# Altium PCB roach2.PcbDoc (part 1 of 39) (continued)
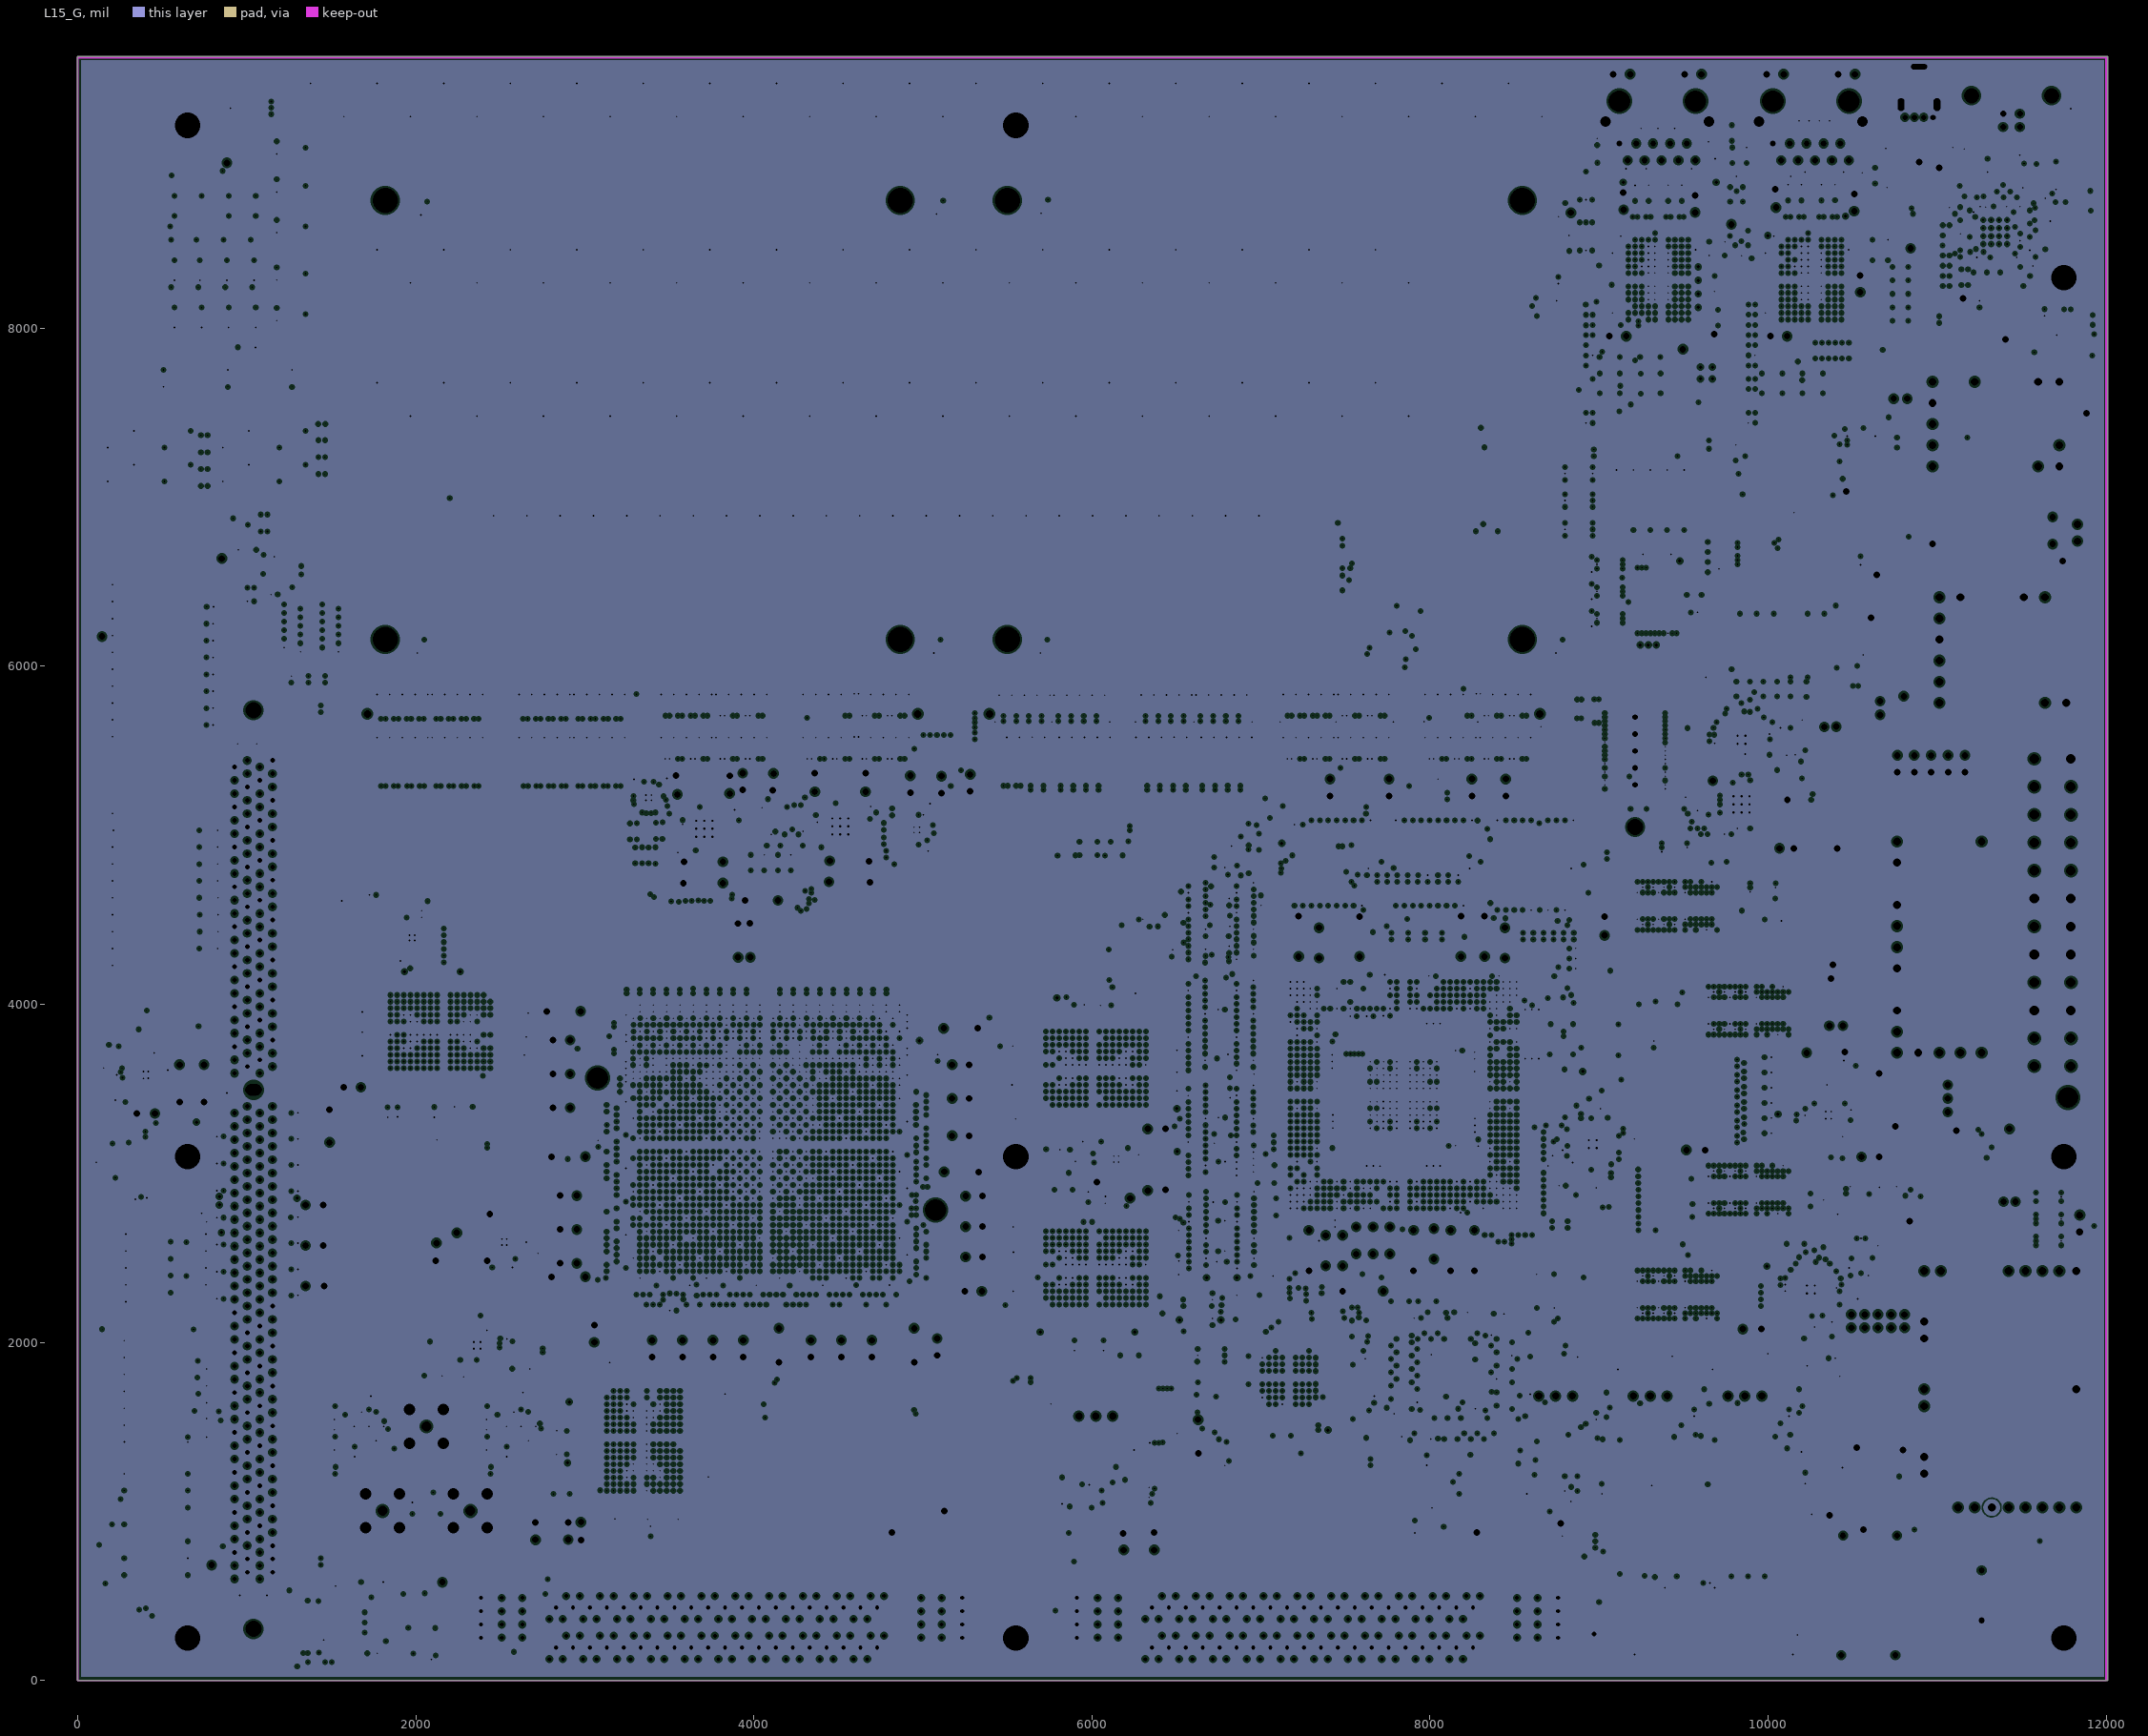
[diagram p15: L15_G, clearances drawn from the general rule]

## Layer stack, top to bottom
L1_TOP: signal copper 0.685
Dielectric: prepreg 3, FR-4, Dk 4.2
L2_G: plane copper 0.6752, net GND
Dielectric: core 5, FR-4, Dk 4.2
L3_S: signal copper 0.6752
Dielectric: prepreg 5, FR-4, Dk 4.8
L4_G: plane copper 0.6752, net GND
Dielectric: core 5, FR-4, Dk 4.2
L5_S: signal copper 0.6752
Dielectric: prepreg 5, FR-4, Dk 4.2
L6_P: plane copper 1.37, net (Multiple Nets)
Dielectric: core 5, FR-4, Dk 4.2
L7_G: plane copper 1.37, net GND
Dielectric: prepreg 4, FR-4, Dk 4.2
L8_R: signal copper 0.6752
Dielectric: core 4, FR-4, Dk 4.2
L9_R: signal copper 0.685
Dielectric: prepreg 4, FR-4, Dk 4.2
L10_P: plane copper 1.37, net (Multiple Nets)
Dielectric: core 5, FR-4, Dk 4.2
L11_P: plane copper 1.37, net (Multiple Nets)
Dielectric: prepreg 5, FR-4, Dk 4.2
L12_S: signal copper 0.685
Dielectric: core 5, FR-4, Dk 4.2
L13_P: plane copper 0.685, net 2V5
Dielectric: prepreg 5, FR-4, Dk 4.2
L14_S: signal copper 0.685
Dielectric: core 5, FR-4, Dk 4.2
L15_G: plane copper 0.685, net GND
Dielectric: prepreg 3, FR-4, Dk 4.2
L16_BOT: signal copper 0.685

## Board outline
0,0 12007.87,0 12007.87,9606.3 0,9606.3

## Design rules (kind name [scope] priority, off if disabled: settings)
AcuteAngle [not isarc] p1: minimum=6.00000000000000E+0001
Clearance Clearance_npth [not PadIsPlated] p1: gap=8
Clearance Clearance_splits [(OnLayer('L6_P')) vs isvia] p2: gap=8
Clearance Clearance_pours [All vs (IsFill or inpolygon)] p3: gap=5
Clearance Clearance_std [(Not isKeepout) vs (Not isKeepout)] p4: gap=4
DiffPairsRouting DiffPairsRouting_mgt [(InNetClass('mgt_pairs'))] p1: maxlimit=8 minlimit=4 mostfreqgap=8 maxuncoupledlength=500
DiffPairsRouting [All] p2: maxlimit=10 minlimit=4 mostfreqgap=4 maxuncoupledlength=157.48
FanoutControl Fanout_Default [All] p5: bgadir=Out bgaviamode=Centered fanoutstyle=BGA fanoutdirection=Alternating viagrid=1 // Fanout_Default (Default Rule)
Height [All] p1: minheight=0 maxheight=1181.1 prefheight=500
HoleSize [All] p1: absolutevalues=TRUE maxlimit=150 minlimit=10 maxpercent=80.000 minpercent=20.000
MatchedLengths MatchedLengths_DP [InNetClass('mgt_pairs')] p1: tolerance=5 checknetsindiffpair=TRUE checkdiffpairvsdiffpair=FALSE checkothers=FALSE
MinimumAnnularRing [All] p1: minimumring=4.05
MinimumSolderMaskSliver [All] p1: minsoldermaskwidth=3.7
PlaneClearance PlaneClearance_routingvia [All] p1: clearance=12.2
PlaneConnect PlaneConnect_via [(not InPadClass('All Pads'))] p1: planeconnectstyle=Direct reliefexpansion=20 reliefentries=4 reliefconductorwidth=10 reliefairgap=10
PlaneConnect PlaneConnect_component [(InPadClass('All Pads'))] p2: planeconnectstyle=Relief reliefexpansion=20 reliefentries=4 reliefconductorwidth=15 reliefairgap=10
PolygonConnect PolygonConnect_rpack [(HasFootprint('RESCAV50P100X200X45-8L'))] p1: connectstyle=Relief reliefconductorwidth=10 reliefentries=4 polygonreliefangle="90 Angle"
PolygonConnect PolygonConnect_components [(InComponentClass('All Components'))] p2: connectstyle=Relief reliefconductorwidth=15 reliefentries=4 polygonreliefangle="90 Angle"
PolygonConnect PolygonConnect_default [All] p3: connectstyle=Direct reliefconductorwidth=20 reliefentries=4 polygonreliefangle="90 Angle"
RoutingLayers [All] p1: top layer_v5=FALSE mid layer 3_v5=TRUE mid layer 4_v5=TRUE mid layer 5_v5=TRUE mid layer 6_v5=TRUE mid layer 7_v5=TRUE mid layer 8_v5=TRUE bottom layer_v5=FALSE
RoutingVias [All] p1: holewidth=10 width=19.4 viastyle="Through Hole" minholewidth=10 minwidth=18.6 maxholewidth=150 maxwidth=150
ShortCircuit [isnet] p1: allowed=FALSE
SilkToSilkClearance [All] p1: silktosilkclearance=0.2
SilkscreenOverComponentPads [All] p1: minsilkscreentomaskgap=3
SolderMaskExpansion SolderMaskExpansion_smt [(InComponentClass('SolderMaskPullback2mil'))] p1: expansion=2
SolderMaskExpansion SolderMaskExpansion_bga [(InComponentClass('BGAs'))] p2: expansion=3
SolderMaskExpansion SolderMaskExpansion_std [All] p3: expansion=0
Width [All] p1: maxlimit=5905.51 minlimit=3.8 preferedwidth=3.8 toplayer_minwidth=5 toplayer_prefwidth=5 bottomlayer_minwidth=5 bottomlayer_prefwidth=5 minimp=50.000000 maximp=50.000000 favimp=50.000000
17 further rules are at their usual default settings.

## Classes and differential pairs
component class SolderMaskPullback2mil: J7 J8 U16 U23 U33 U40 U46 U76 U78 U80 U81
component class BGAs: U1 U2 U42 U43 U44 U45 U50 U57 U58 U60 U61 U64
net class DDR2_D7: DDR2.DM7 DDR2.DQ56 DDR2.DQ57 DDR2.DQ58 DDR2.DQ59 DDR2.DQ60 DDR2.DQ61 DDR2.DQ62 DDR2.DQ63 DDR2.DQS7
net class DDR2_D6: DDR2.DM6 DDR2.DQ48 DDR2.DQ49 DDR2.DQ50 DDR2.DQ51 DDR2.DQ52 DDR2.DQ53 DDR2.DQ54 DDR2.DQ55 DDR2.DQS6
net class DDR2_D5: DDR2.DM5 DDR2.DQ40 DDR2.DQ41 DDR2.DQ42 DDR2.DQ43 DDR2.DQ44 DDR2.DQ45 DDR2.DQ46 DDR2.DQ47 DDR2.DQS5
net class DDR2_D4: DDR2.DM4 DDR2.DQ32 DDR2.DQ33 DDR2.DQ34 DDR2.DQ35 DDR2.DQ36 DDR2.DQ37 DDR2.DQ38 DDR2.DQ39 DDR2.DQS4
net class DDR2_D3: DDR2.DM3 DDR2.DQ24 DDR2.DQ25 DDR2.DQ26 DDR2.DQ27 DDR2.DQ28 DDR2.DQ29 DDR2.DQ30 DDR2.DQ31 DDR2.DQS3
net class DDR2_D2: DDR2.DM2 DDR2.DQ16 DDR2.DQ17 DDR2.DQ18 DDR2.DQ19 DDR2.DQ20 DDR2.DQ21 DDR2.DQ22 DDR2.DQ23 DDR2.DQS2
net class DDR2_D1: DDR2.DM1 DDR2.DQ8 DDR2.DQ9 DDR2.DQ10 DDR2.DQ11 DDR2.DQ12 DDR2.DQ13 DDR2.DQ14 DDR2.DQ15 DDR2.DQS1
net class DDR2_D0: DDR2.DM0 DDR2.DQ0 DDR2.DQ1 DDR2.DQ2 DDR2.DQ3 DDR2.DQ4 DDR2.DQ5 DDR2.DQ6 DDR2.DQ7 DDR2.DQS0
net class ZDOK1: ZDOK1.CLK0_N ZDOK1.CLK0_P ZDOK1.CLK1_N ZDOK1.CLK1_P ZDOK1.DP_N0 ZDOK1.DP_N1 ZDOK1.DP_N2 ZDOK1.DP_N3 ZDOK1.DP_N4 ZDOK1.DP_N5 ZDOK1.DP_N6 ZDOK1.DP_N7 ZDOK1.DP_N8 ZDOK1.DP_N9 ZDOK1.DP_N10 ZDOK1.DP_N11 ZDOK1.DP_N12 ZDOK1.DP_N13 ZDOK1.DP_N14 ZDOK1.DP_N15 ZDOK1.DP_N16 ZDOK1.DP_N17 ZDOK1.DP_N18 ZDOK1.DP_N19 ZDOK1.DP_N20 ZDOK1.DP_N21 ZDOK1.DP_N22 ZDOK1.DP_N23 ZDOK1.DP_N24 ZDOK1.DP_N25 ZDOK1.DP_N26 ZDOK1.DP_N27 ZDOK1.DP_N28 ZDOK1.DP_N29 ZDOK1.DP_N30 ZDOK1.DP_N31 ZDOK1.DP_N32 ZDOK1.DP_N33 ZDOK1.DP_N34 ZDOK1.DP_N35 ZDOK1.DP_N36 ZDOK1.DP_N37 ZDOK1.DP_P0 ZDOK1.DP_P1 ZDOK1.DP_P2 ZDOK1.DP_P3 ZDOK1.DP_P4 ZDOK1.DP_P5 ZDOK1.DP_P6 ZDOK1.DP_P7 ZDOK1.DP_P8 ZDOK1.DP_P9 ZDOK1.DP_P10 ZDOK1.DP_P11 ZDOK1.DP_P12 ZDOK1.DP_P13 ZDOK1.DP_P14 ZDOK1.DP_P15 ZDOK1.DP_P16 ZDOK1.DP_P17 ZDOK1.DP_P18 ZDOK1.DP_P19 ZDOK1.DP_P20 ZDOK1.DP_P21 ZDOK1.DP_P22 ZDOK1.DP_P23 ZDOK1.DP_P24 ZDOK1.DP_P25 ZDOK1.DP_P26 ZDOK1.DP_P27 ZDOK1.DP_P28 ZDOK1.DP_P29 ZDOK1.DP_P30 ZDOK1.DP_P31 ZDOK1.DP_P32 ZDOK1.DP_P33 ZDOK1.DP_P34 ZDOK1.DP_P35 ZDOK1.DP_P36 ZDOK1.DP_P37
net class ZDOK0: ZDOK0.CLK0_N ZDOK0.CLK0_P ZDOK0.CLK1_N ZDOK0.CLK1_P ZDOK0.DP_N0 ZDOK0.DP_N1 ZDOK0.DP_N2 ZDOK0.DP_N3 ZDOK0.DP_N4 ZDOK0.DP_N5 ZDOK0.DP_N6 ZDOK0.DP_N7 ZDOK0.DP_N8 ZDOK0.DP_N9 ZDOK0.DP_N10 ZDOK0.DP_N11 ZDOK0.DP_N12 ZDOK0.DP_N13 ZDOK0.DP_N14 ZDOK0.DP_N15 ZDOK0.DP_N16 ZDOK0.DP_N17 ZDOK0.DP_N18 ZDOK0.DP_N19 ZDOK0.DP_N20 ZDOK0.DP_N21 ZDOK0.DP_N22 ZDOK0.DP_N23 ZDOK0.DP_N24 ZDOK0.DP_N25 ZDOK0.DP_N26 ZDOK0.DP_N27 ZDOK0.DP_N28 ZDOK0.DP_N29 ZDOK0.DP_N30 ZDOK0.DP_N31 ZDOK0.DP_N32 ZDOK0.DP_N33 ZDOK0.DP_N34 ZDOK0.DP_N35 ZDOK0.DP_N36 ZDOK0.DP_N37 ZDOK0.DP_P0 ZDOK0.DP_P1 ZDOK0.DP_P2 ZDOK0.DP_P3 ZDOK0.DP_P4 ZDOK0.DP_P5 ZDOK0.DP_P6 ZDOK0.DP_P7 ZDOK0.DP_P8 ZDOK0.DP_P9 ZDOK0.DP_P10 ZDOK0.DP_P11 ZDOK0.DP_P12 ZDOK0.DP_P13 ZDOK0.DP_P14 ZDOK0.DP_P15 ZDOK0.DP_P16 ZDOK0.DP_P17 ZDOK0.DP_P18 ZDOK0.DP_P19 ZDOK0.DP_P20 ZDOK0.DP_P21 ZDOK0.DP_P22 ZDOK0.DP_P23 ZDOK0.DP_P24 ZDOK0.DP_P25 ZDOK0.DP_P26 ZDOK0.DP_P27 ZDOK0.DP_P28 ZDOK0.DP_P29 ZDOK0.DP_P30 ZDOK0.DP_P31 ZDOK0.DP_P32 ZDOK0.DP_P33 ZDOK0.DP_P34 ZDOK0.DP_P35 ZDOK0.DP_P36 ZDOK0.DP_P37
net class qdr3_q: QDR3.Q0 QDR3.Q1 QDR3.Q2 QDR3.Q3 QDR3.Q4 QDR3.Q5 QDR3.Q6 QDR3.Q7 QDR3.Q8 QDR3.Q9 QDR3.Q10 QDR3.Q11 QDR3.Q12 QDR3.Q13 QDR3.Q14 QDR3.Q15 QDR3.Q16 QDR3.Q17 QDR3.Q18 QDR3.Q19 QDR3.Q20 QDR3.Q21 QDR3.Q22 QDR3.Q23 QDR3.Q24 QDR3.Q25 QDR3.Q26 QDR3.Q27 QDR3.Q28 QDR3.Q29 QDR3.Q30 QDR3.Q31 QDR3.Q32 QDR3.Q33 QDR3.Q34 QDR3.Q35
net class QDR0: QDR0.A0 QDR0.A1 QDR0.A2 QDR0.A3 QDR0.A4 QDR0.A5 QDR0.A6 QDR0.A7 QDR0.A8 QDR0.A9 QDR0.A10 QDR0.A11 QDR0.A12 QDR0.A13 QDR0.A14 QDR0.A15 QDR0.A16 QDR0.A17 QDR0.A18 QDR0.A19 QDR0.A20 QDR0.BWN0 QDR0.BWN1 QDR0.BWN2 QDR0.BWN3 QDR0.D0 QDR0.D1 QDR0.D2 QDR0.D3 QDR0.D4 QDR0.D5 QDR0.D6 QDR0.D7 QDR0.D8 QDR0.D9 QDR0.D10 QDR0.D11 QDR0.D12 QDR0.D13 QDR0.D14 QDR0.D15 QDR0.D16 QDR0.D17 QDR0.D18 QDR0.D19 QDR0.D20 QDR0.D21 QDR0.D22 QDR0.D23 QDR0.D24 QDR0.D25 QDR0.D26 QDR0.D27 QDR0.D28 QDR0.D29 QDR0.D30 QDR0.D31 QDR0.D32 QDR0.D33 QDR0.D34 QDR0.D35 QDR0.K QDR0.KN QDR0.Q0 QDR0.Q1 QDR0.Q2 QDR0.Q3 QDR0.Q4 QDR0.Q5 QDR0.Q6 QDR0.Q7 QDR0.Q8 QDR0.Q9 QDR0.Q10 QDR0.Q11 QDR0.Q12 QDR0.Q13 QDR0.Q14 QDR0.Q15 QDR0.Q16 QDR0.Q17 QDR0.Q18 QDR0.Q19 QDR0.Q20 QDR0.Q21 QDR0.Q22 QDR0.Q23 QDR0.Q24 QDR0.Q25 QDR0.Q26 QDR0.Q27 QDR0.Q28 QDR0.Q29 QDR0.Q30 QDR0.Q31 QDR0.Q32 QDR0.Q33 QDR0.Q34 QDR0.Q35 QDR0.RDN QDR0.WRN
net class eth_diff_pairs: PPCMDI_0_N PPCMDI_0_P PPCMDI_1_N PPCMDI_1_P PPCMDI_2_N PPCMDI_2_P PPCMDI_3_N PPCMDI_3_P V6MDI_0_N V6MDI_0_P V6MDI_1_N V6MDI_1_P V6MDI_2_N V6MDI_2_P V6MDI_3_N V6MDI_3_P
net class mgt_pairs: MGT_RX_AC0_N MGT_RX_AC0_P MGT_RX_AC1_N MGT_RX_AC1_P MGT_RX_AC2_N MGT_RX_AC2_P MGT_RX_AC3_N MGT_RX_AC3_P MGT_RX_AC4_N MGT_RX_AC4_P MGT_RX_AC5_N MGT_RX_AC5_P MGT_RX_AC6_N MGT_RX_AC6_P MGT_RX_AC7_N MGT_RX_AC7_P MGT_RX_AC8_N MGT_RX_AC8_P MGT_RX_AC9_N MGT_RX_AC9_P MGT_RX_AC10_N MGT_RX_AC10_P MGT_RX_AC11_N MGT_RX_AC11_P MGT_RX_AC12_N MGT_RX_AC12_P MGT_RX_AC13_N MGT_RX_AC13_P MGT_RX_AC14_N MGT_RX_AC14_P MGT_RX_AC15_N MGT_RX_AC15_P MGT_RX_AC16_N MGT_RX_AC16_P MGT_RX_AC17_N MGT_RX_AC17_P MGT_RX_AC18_N MGT_RX_AC18_P MGT_RX_AC19_N MGT_RX_AC19_P MGT_RX_AC20_N MGT_RX_AC20_P MGT_RX_AC21_N MGT_RX_AC21_P MGT_RX_AC22_N MGT_RX_AC22_P MGT_RX_AC23_N MGT_RX_AC23_P MGT_RX_AC24_N MGT_RX_AC24_P MGT_RX_AC25_N MGT_RX_AC25_P MGT_RX_AC26_N MGT_RX_AC26_P MGT_RX_AC27_N MGT_RX_AC27_P MGT_RX_AC28_N MGT_RX_AC28_P MGT_RX_AC29_N MGT_RX_AC29_P MGT_RX_AC30_N MGT_RX_AC30_P MGT_RX_AC31_N MGT_RX_AC31_P MGT_TX_N0 MGT_TX_N1 MGT_TX_N2 MGT_TX_N3 MGT_TX_N4 MGT_TX_N5 MGT_TX_N6 MGT_TX_N7 MGT_TX_N8 MGT_TX_N9 MGT_TX_N10 MGT_TX_N11 MGT_TX_N12 MGT_TX_N13 MGT_TX_N14 MGT_TX_N15 MGT_TX_N16 MGT_TX_N17 MGT_TX_N18 MGT_TX_N19 MGT_TX_N20 MGT_TX_N21 MGT_TX_N22 MGT_TX_N23 MGT_TX_N24 MGT_TX_N25 MGT_TX_N26 MGT_TX_N27 MGT_TX_N28 MGT_TX_N29 MGT_TX_N30 MGT_TX_N31 MGT_TX_P0 MGT_TX_P1 MGT_TX_P2 MGT_TX_P3 MGT_TX_P4 MGT_TX_P5 MGT_TX_P6 MGT_TX_P7 MGT_TX_P8 MGT_TX_P9 MGT_TX_P10 MGT_TX_P11 MGT_TX_P12 MGT_TX_P13 MGT_TX_P14 MGT_TX_P15 MGT_TX_P16 MGT_TX_P17 MGT_TX_P18 MGT_TX_P19 MGT_TX_P20 MGT_TX_P21 MGT_TX_P22 MGT_TX_P23 MGT_TX_P24 MGT_TX_P25 MGT_TX_P26 MGT_TX_P27 MGT_TX_P28 MGT_TX_P29 MGT_TX_P30 MGT_TX_P31 SGMII_RX_AC_N SGMII_RX_AC_P SGMII_RX_N SGMII_RX_P SGMII_TX_N SGMII_TX_P
net class EPBXL: XL.PADDR5 XL.PADDR6 XL.PADDR7 XL.PADDR8 XL.PADDR9 XL.PADDR10 XL.PADDR11 XL.PADDR12 XL.PADDR13 XL.PADDR14 XL.PADDR15 XL.PADDR16 XL.PADDR17 XL.PADDR18 XL.PADDR19 XL.PADDR20 XL.PADDR21 XL.PADDR22 XL.PADDR23 XL.PADDR24 XL.PADDR25 XL.PADDR26 XL.PADDR27 XL.PADDR28 XL.PADDR29 XL.PBEN1 XL.PBEN2 XL.PBEN3 XL.PBLASTN XL.PCSN0 XL.PCSN1 XL.POEN XL.PRDY XL.PWRN
net class DDR2_CTRL: DDR2.A0 DDR2.A1 DDR2.A2 DDR2.A3 DDR2.A4 DDR2.A5 DDR2.A6 DDR2.A7 DDR2.A8 DDR2.A9 DDR2.A10 DDR2.A11 DDR2.A12 DDR2.A13 DDR2.BA0 DDR2.BA1 DDR2.BA2 DDR2.CASN DDR2.CKE DDR2.CLK_N0 DDR2.CLK_N1 DDR2.CLK_N2 DDR2.CLK_N3 DDR2.CLK_P0 DDR2.CLK_P1 DDR2.CLK_P2 DDR2.CLK_P3 DDR2.ODT DDR2.RASN DDR2.SN DDR2.WEN
net class QDR2_Q: QDR2.Q0 QDR2.Q1 QDR2.Q2 QDR2.Q3 QDR2.Q4 QDR2.Q5 QDR2.Q6 QDR2.Q7 QDR2.Q8 QDR2.Q9 QDR2.Q10 QDR2.Q11 QDR2.Q12 QDR2.Q13 QDR2.Q14 QDR2.Q15 QDR2.Q16 QDR2.Q17 QDR2.Q18 QDR2.Q19 QDR2.Q20 QDR2.Q21 QDR2.Q22 QDR2.Q23 QDR2.Q24 QDR2.Q25 QDR2.Q26 QDR2.Q27 QDR2.Q28 QDR2.Q29 QDR2.Q30 QDR2.Q31 QDR2.Q32 QDR2.Q33 QDR2.Q34 QDR2.Q35
net class QDR2_D: QDR2.D0 QDR2.D1 QDR2.D2 QDR2.D3 QDR2.D4 QDR2.D5 QDR2.D6 QDR2.D7 QDR2.D8 QDR2.D9 QDR2.D10 QDR2.D11 QDR2.D12 QDR2.D13 QDR2.D14 QDR2.D15 QDR2.D16 QDR2.D17 QDR2.D18 QDR2.D19 QDR2.D20 QDR2.D21 QDR2.D22 QDR2.D23 QDR2.D24 QDR2.D25 QDR2.D26 QDR2.D27 QDR2.D28 QDR2.D29 QDR2.D30 QDR2.D31 QDR2.D32 QDR2.D33 QDR2.D34 QDR2.D35
net class QDR2_CTRL: QDR2.A0 QDR2.A1 QDR2.A2 QDR2.A3 QDR2.A4 QDR2.A5 QDR2.A6 QDR2.A7 QDR2.A8 QDR2.A9 QDR2.A10 QDR2.A11 QDR2.A12 QDR2.A13 QDR2.A14 QDR2.A15 QDR2.A16 QDR2.A17 QDR2.A18 QDR2.A19 QDR2.A20 QDR2.BWN0 QDR2.BWN1 QDR2.BWN2 QDR2.BWN3 QDR2.K QDR2.KN QDR2.RDN QDR2.WRN
net class QDR3_D: QDR3.D0 QDR3.D1 QDR3.D2 QDR3.D3 QDR3.D4 QDR3.D5 QDR3.D6 QDR3.D7 QDR3.D8 QDR3.D9 QDR3.D10 QDR3.D11 QDR3.D12 QDR3.D13 QDR3.D14 QDR3.D15 QDR3.D16 QDR3.D17 QDR3.D18 QDR3.D19 QDR3.D20 QDR3.D21 QDR3.D22 QDR3.D23 QDR3.D24 QDR3.D25 QDR3.D26 QDR3.D27 QDR3.D28 QDR3.D29 QDR3.D30 QDR3.D31 QDR3.D32 QDR3.D33 QDR3.D34 QDR3.D35
net class qdr3_CTRL: QDR3.A0 QDR3.A1 QDR3.A2 QDR3.A3 QDR3.A4 QDR3.A5 QDR3.A6 QDR3.A7 QDR3.A8 QDR3.A9 QDR3.A10 QDR3.A11 QDR3.A12 QDR3.A13 QDR3.A14 QDR3.A15 QDR3.A16 QDR3.A17 QDR3.A18 QDR3.A19 QDR3.A20 QDR3.BWN0 QDR3.BWN1 QDR3.BWN2 QDR3.BWN3 QDR3.K QDR3.KN QDR3.RDN QDR3.WRN
net class DDR3_D0: DDR3.DM0 DDR3.DQ0 DDR3.DQ1 DDR3.DQ2 DDR3.DQ3 DDR3.DQ4 DDR3.DQ5 DDR3.DQ6 DDR3.DQ7 DDR3.DQS_N0 DDR3.DQS_P0
net class DDR3_D1: DDR3.DM1 DDR3.DQ8 DDR3.DQ9 DDR3.DQ10 DDR3.DQ11 DDR3.DQ12 DDR3.DQ13 DDR3.DQ14 DDR3.DQ15 DDR3.DQS_N1 DDR3.DQS_P1
net class DDR3_D2: DDR3.DM2 DDR3.DQ16 DDR3.DQ17 DDR3.DQ18 DDR3.DQ19 DDR3.DQ20 DDR3.DQ21 DDR3.DQ22 DDR3.DQ23 DDR3.DQS_N2 DDR3.DQS_P2
net class DDR3_D4: DDR3.DM4 DDR3.DQ32 DDR3.DQ33 DDR3.DQ34 DDR3.DQ35 DDR3.DQ36 DDR3.DQ37 DDR3.DQ38 DDR3.DQ39 DDR3.DQS_N4 DDR3.DQS_P4
net class DDR3_D3: DDR3.DM3 DDR3.DQ24 DDR3.DQ25 DDR3.DQ26 DDR3.DQ27 DDR3.DQ28 DDR3.DQ29 DDR3.DQ30 DDR3.DQ31 DDR3.DQS_N3 DDR3.DQS_P3
net class DDR3_D5: DDR3.DM5 DDR3.DQ40 DDR3.DQ41 DDR3.DQ42 DDR3.DQ43 DDR3.DQ44 DDR3.DQ45 DDR3.DQ46 DDR3.DQ47 DDR3.DQS_N5 DDR3.DQS_P5
net class DDR3_D6: DDR3.DM6 DDR3.DQ48 DDR3.DQ49 DDR3.DQ50 DDR3.DQ51 DDR3.DQ52 DDR3.DQ53 DDR3.DQ54 DDR3.DQ55 DDR3.DQS_N6 DDR3.DQS_P6
net class DDR3_D7: DDR3.DM7 DDR3.DQ56 DDR3.DQ57 DDR3.DQ58 DDR3.DQ59 DDR3.DQ60 DDR3.DQ61 DDR3.DQ62 DDR3.DQ63 DDR3.DQS_N7 DDR3.DQS_P7
net class DDR3_D8: DDR3.DM8 DDR3.DQ64 DDR3.DQ65 DDR3.DQ66 DDR3.DQ67 DDR3.DQ68 DDR3.DQ69 DDR3.DQ70 DDR3.DQ71 DDR3.DQS_N8 DDR3.DQS_P8
net class DDR3_CTRL: DDR3.A0 DDR3.A1 DDR3.A2 DDR3.A3 DDR3.A4 DDR3.A5 DDR3.A6 DDR3.A7 DDR3.A8 DDR3.A9 DDR3.A10 DDR3.A11 DDR3.A12 DDR3.A13 DDR3.A14 DDR3.A15 DDR3.BA0 DDR3.BA1 DDR3.BA2 DDR3.CASN DDR3.CK_N DDR3.CK_P DDR3.CKE0 DDR3.CKE1 DDR3.ODT0 DDR3.ODT1 DDR3.RASN DDR3.RESETN DDR3.SN0 DDR3.SN1 DDR3.SN2 DDR3.SN3 DDR3.WEN
net class XL_D: XL.PDATA0 XL.PDATA1 XL.PDATA2 XL.PDATA3 XL.PDATA4 XL.PDATA5 XL.PDATA6 XL.PDATA7 XL.PDATA8 XL.PDATA9 XL.PDATA10 XL.PDATA11 XL.PDATA12 XL.PDATA13 XL.PDATA14 XL.PDATA15 XL.PDATA16 XL.PDATA17 XL.PDATA18 XL.PDATA19 XL.PDATA20 XL.PDATA21 XL.PDATA22 XL.PDATA23 XL.PDATA24 XL.PDATA25 XL.PDATA26 XL.PDATA27 XL.PDATA28 XL.PDATA29 XL.PDATA30 XL.PDATA31
net class GPIO: MGT_GPIO0 MGT_GPIO1 MGT_GPIO2 MGT_GPIO3 MGT_GPIO4 MGT_GPIO5 MGT_GPIO6 MGT_GPIO7 MGT_GPIO8 MGT_GPIO9 MGT_GPIO10 MGT_GPIO11 V6_GPIO0 V6_GPIO1 V6_GPIO2 V6_GPIO3 V6_GPIO4 V6_GPIO5 V6_GPIO6 V6_GPIO7 V6_GPIO8 V6_GPIO9 V6_GPIO10 V6_GPIO11